# Altium PCB CU-ON-OFF-V2-08-11-18.PcbDoc (part 3 of 14) (continued)
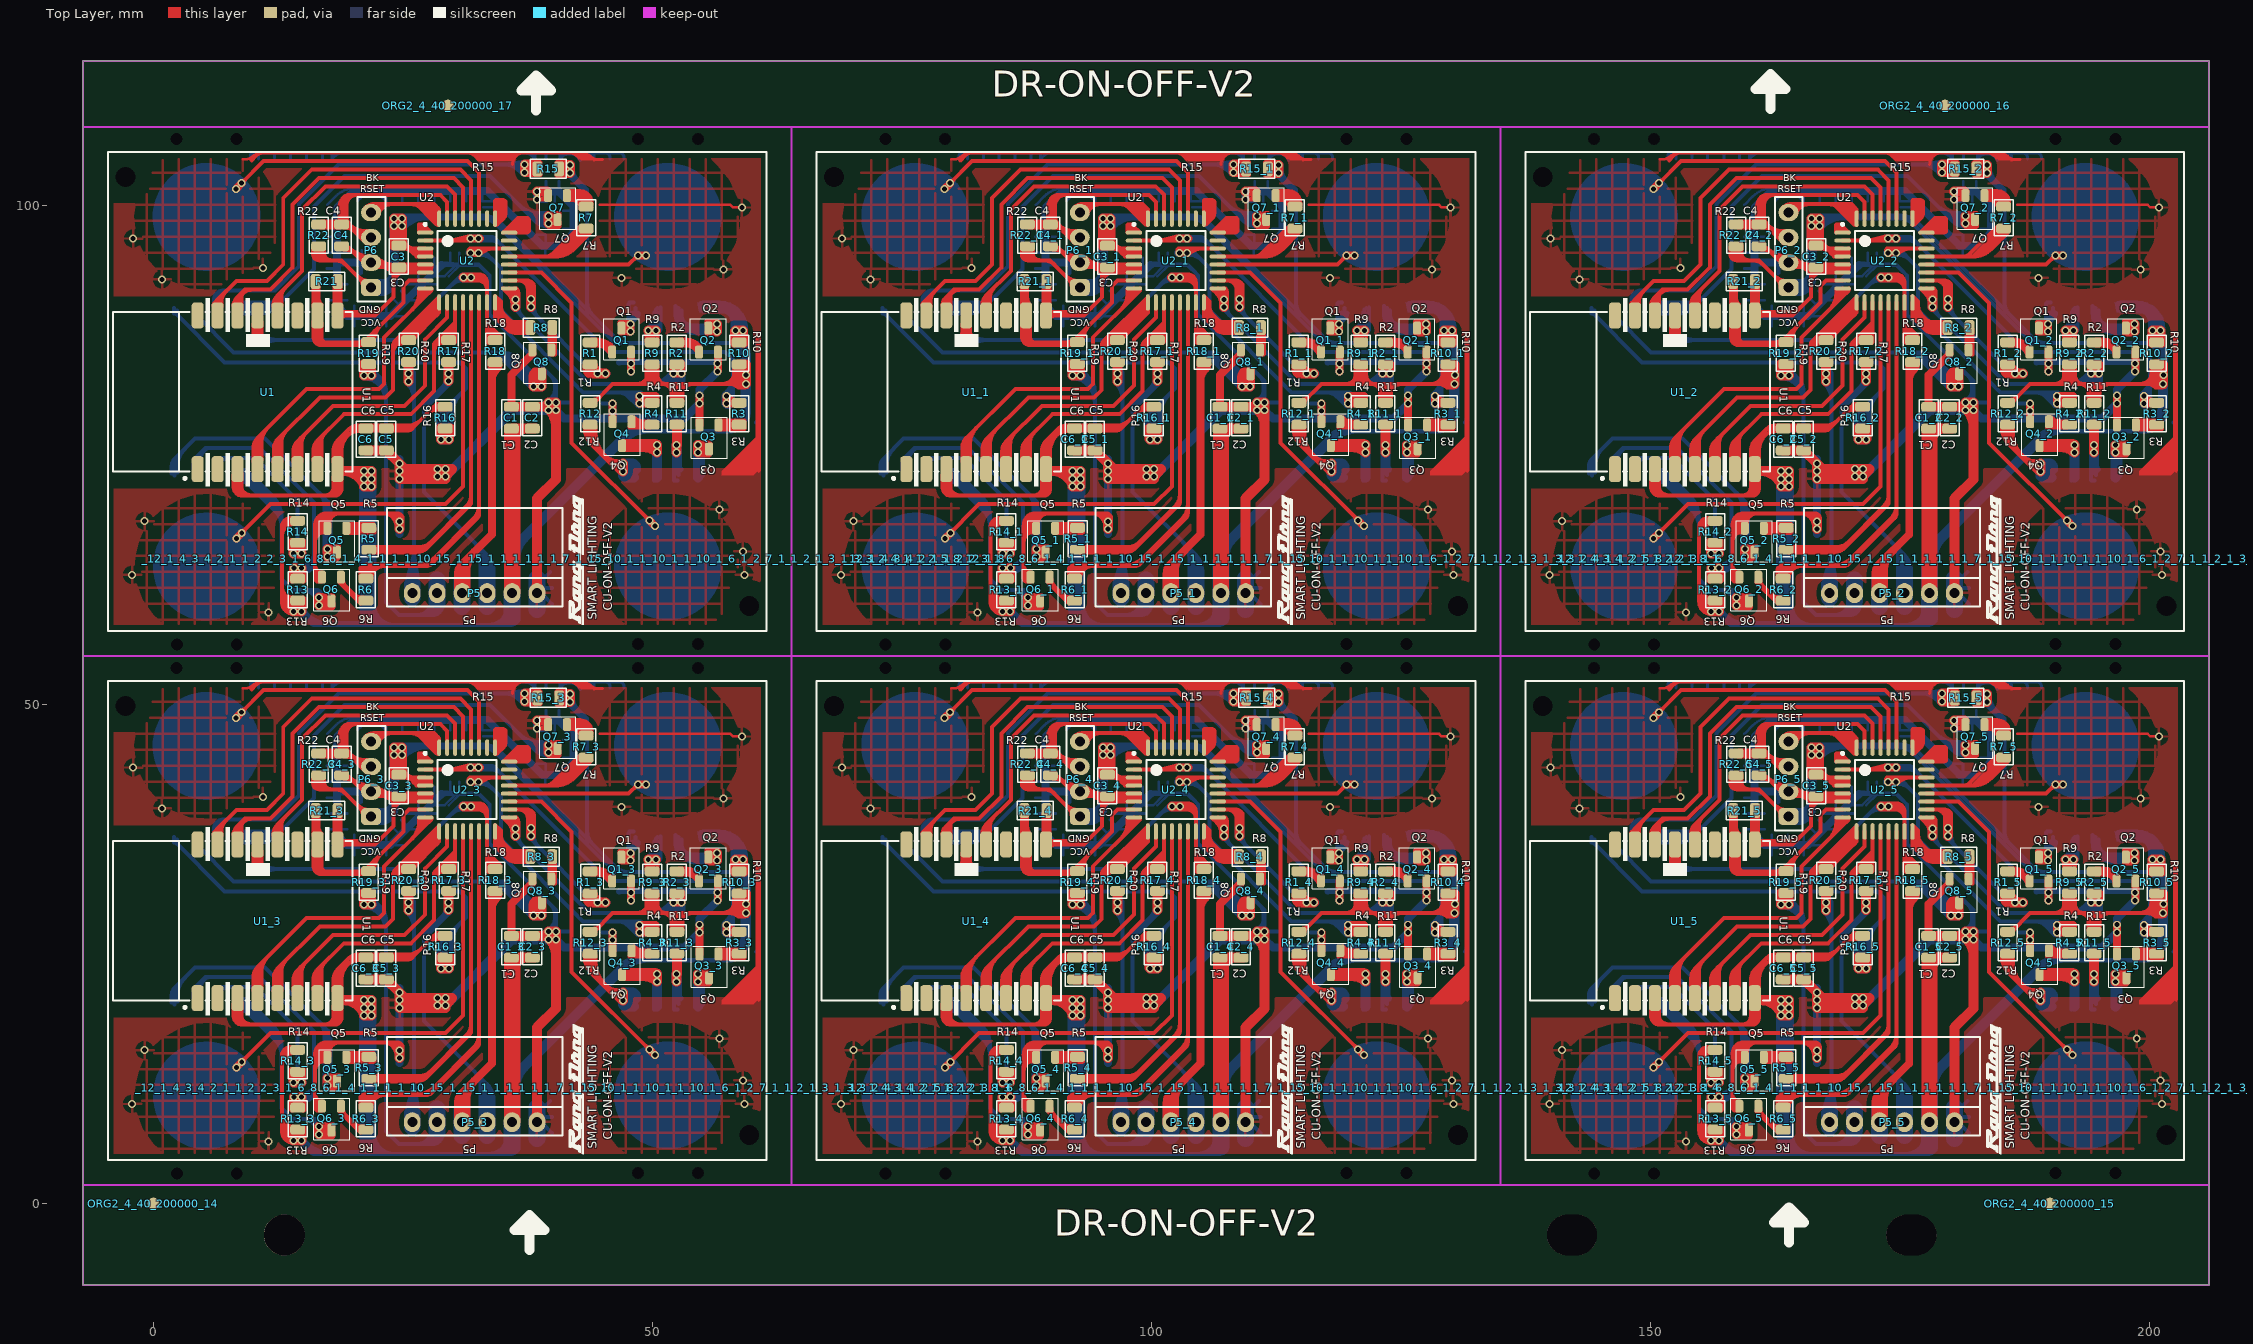
[diagram p0: Top Layer view]
## Nets (pads, with @x,y where several pads share a name; then routed paths per layer and width w, separated by ;. In a path a pad name is that pad's centre, name@x,y a point inside that pad or via, vN(x,y) a via of type N, cw(c..) or ccw(c..) an arc to the next point about the centre after c; other vN are vias at no path point) (continued)
 ; 21.341,14.407 20.074,14.407 ccw(c20.074,13.724) 19.591,14.207 22.02,14.207 ccw(c22.02,14.378) 22.141,14.257 22.141,14.632 ; 21.341,33.582 21.256,33.582 ccw(c21.256,33.367) 21.104,33.519 ; 21.341,67.406 20.074,67.406 ccw(c20.074,66.723) 19.591,67.206 22.02,67.206 ccw(c22.02,67.377) 22.141,67.256 22.141,67.631 ; 21.341,86.581 21.256,86.581 ccw(c21.256,86.366) 21.104,86.518 cw(c20.471,87.151) 20.471,86.256 17.348,86.256 cw(c17.348,86.755) 16.995,86.402 ; 21.354,30.895 cw(c20.842,30.383) 21.566,30.383 cw(c22.29,30.383) 21.778,30.895 ; v1@21.372,30.043 cw(c21.729,29.782) v1@21.979,30.147 ; 21.516,43.182 cw(c21.516,43.544) 21.26,43.288 20.766,43.782 ; 21.561,97.423 21.175,97.423 cw(c21.175,99.415) 19.766,98.006 cw(c20.792,99.032) 19.341,99.032 19.341,99.961 ; 21.566,31.189 ccw(c23.073,31.189) v1@22.007,30.123 ; 21.577,46.671 cw(c22.69,45.558) 22.69,47.132 ; 21.591,46.682 22.041,47.132 28.116,47.132 28.641,46.607 28.641,45.682 ; 21.616,12.507 27.016,12.507 31.841,17.332 ; 21.716,33.307 cw(c23.285,33.307) 22.176,34.417 ; 21.741,41.057 24.116,41.057 24.591,40.782 ; 21.753,22.245 cw(c22.084,21.914) 22.084,22.382 ; 21.753,22.669 ccw(c22.446,23.362) 22.446,22.382 ; 21.753,24.445 cw(c22.084,24.114) 22.084,24.582 ; 21.753,24.869 ccw(c22.446,25.562) 22.446,24.582 ; 21.816,43.782 20.766,43.782 ; 21.841,9.607 cw(c23.169,9.607) 22.23,10.546 ; 21.86,46.388 cw(c23.656,44.592) 23.656,47.132 ; v1(21.866,20.382) v1@21.666,20.582 ; 22.053,12.295 cw(c22.565,11.783) 22.565,12.507 cw(c22.565,13.231) 22.053,12.719 ; 22.116,33.307 cw(c24.651,33.307) 22.858,35.099 ; 22.141,10.457 cw(c23.167,9.431) 23.167,10.882 23.941,10.882 ; 22.141,63.456 cw(c23.167,62.43) 23.167,63.881 23.941,63.881 ; 22.143,41.459 ccw(c23.113,42.429) 23.113,41.057 ; 22.186,22.382 ccw(c22.186,23.362) 22.879,22.669 ; 22.186,24.582 ccw(c22.186,25.562) 22.879,24.869 ; 22.424,40.833 cw(c22.703,39.194) 24.131,40.046 ; 22.426,40.822 cw(c22.992,40.256) 22.992,41.057 ; 22.426,41.742 ccw(c24.078,43.394) 24.078,41.057 ; 22.548,22.382 cw(c22.548,21.914) 22.879,22.245 ; 22.548,24.582 cw(c22.548,24.114) 22.879,24.445 ; 22.591,46.107 cw(c23.255,46.107) 22.785,46.576 23.04,46.832 cw(c23.766,46.106) 23.766,47.132 ; 22.591,99.106 cw(c23.255,99.106) 22.785,99.575 23.04,99.83 cw(c23.766,99.105) 23.766,100.131 ; 22.741,10.882 21.867,10.882 ccw(c21.867,9.431) 20.841,10.457 ccw(c21.082,10.216) 20.741,10.216 ; 22.741,63.881 21.867,63.881 ccw(c21.867,62.43) 20.841,63.456 ccw(c21.082,63.215) 20.741,63.215 ; 22.953,41.057 cw(c22.953,39.394) 24.129,40.57 ; 23.016,16.157 23.061,16.157 cw(c23.061,14.877) 23.966,15.782 cw(c23,14.816) v1@24.366,14.816 ; 23.016,69.156 23.061,69.156 cw(c23.061,67.876) 23.966,68.781 cw(c23,67.815) 24.366,67.815 ; 23.341,24.582 19.616,24.582 ; 23.341,24.657 25.941,24.657 ; 23.803,24.445 cw(c24.315,23.933) 24.315,24.657 cw(c24.315,25.381) 23.803,24.869 ; v1@23.841,44.982 23.841,42.984 ccw(c24.268,42.984) 23.966,42.682 24.741,42.682 ; 23.841,97.981 23.841,95.983 ccw(c24.268,95.983) 23.966,95.681 24.741,95.681 24.99,95.681 cw(c24.99,94.23) 26.016,95.256 26.356,94.916 ccw(c26.441,95.002) 26.441,94.881 27.241,94.881 ; 23.918,41.057 cw(c23.918,40.359) 24.412,40.853 ; v1@23.992,44.784 cw(c23.51,44.302) 24.191,44.302 ; 24.016,32.207 24.016,32.339 cw(c24.784,32.339) 24.241,32.882 cw(c25.026,32.097) 25.026,33.207 25.191,33.207 ; 24.016,85.206 24.016,85.338 cw(c24.784,85.338) 24.241,85.881 cw(c25.026,85.096) 25.026,86.206 25.191,86.206 ; 24.016,85.931 cw(c24.68,85.931) 24.21,86.4 28.641,90.831 ; 24.066,39.394 cw(c25.729,39.394) 24.553,40.57 ; 24.066,40.36 cw(c24.763,40.36) 24.27,40.853 ; v1(24.133,44.925) 24.133,43.44 24.591,42.982 ; 24.165,16.083 cw(c23.44,15.357) 24.466,15.357 23.666,16.157 ; 24.191,44.068 ccw(c25.427,44.068) 24.553,43.194 ; v1@24.191,44.925 24.191,43.232 24.741,42.682 ; 24.241,40.707 24.616,41.082 27.241,41.082 ; 24.416,69.156 cw(c24.416,68.613) 24.8,68.997 cw(c24.4,68.596) 24.966,68.596 24.966,67.856 ; v1@24.525,14.723 ccw(c24.183,15.065) 24.666,15.065 ccw(c25.149,15.065) v1@24.807,14.723 ; v1@24.525,15.216 cw(c24.183,14.874) 24.666,14.874 cw(c25.149,14.874) v1@24.807,15.216 ; v1@24.525,19.748 ccw(c24.183,20.09) 24.666,20.09 ccw(c25.149,20.09) v1@24.807,19.748 ; v1@24.525,20.523 ccw(c24.183,20.865) 24.666,20.865 ccw(c25.149,20.865) 24.807,20.523 ccw(c26.356,22.072) 26.356,19.882 ; v1@24.525,21.016 cw(c24.183,20.674) 24.666,20.674 cw(c25.149,20.674) v1@24.807,21.016 ; v1@24.548,15.195 cw(c24.413,15.009) v1@24.635,14.95 ; v1@24.548,20.995 cw(c24.413,20.809) v1@24.635,20.75 ; v1(24.666,15.357) 24.666,15.582 24.091,16.157 ; v1(24.666,19.607) v1@24.666,19.882 ; v1(24.666,20.382) v1@24.891,20.607 ; v1@24.695,20.131 cw(c24.445,19.744) v1@24.836,19.502 ; v1@24.697,14.95 cw(c24.919,15.009) v1@24.784,15.195 ; v1@24.697,20.75 cw(c24.919,20.809) v1@24.784,20.995 ; v1@24.733,19.832 v1@28.391,19.832 ; 24.77,40.853 cw(c25.324,40.299) 25.324,41.082 ; 24.77,42.911 ccw(c25.324,43.465) 25.324,42.682 ; v1@24.807,19.466 cw(c25.813,18.46) 25.813,19.882 ; v1@24.953,15.62 24.416,16.157 ; 24.966,14.857 24.966,15.597 ccw(c24.4,15.597) 24.8,15.998 ccw(c24.416,15.614) 24.416,16.157 ; 25.053,43.194 ccw(c26.289,44.43) 26.289,42.682 ; 25.095,33.696 cw(c24.491,34.184) 24.491,33.407 ; v1@25.191,44.932 25.191,43.667 ccw(c26.301,43.667) 25.516,42.882 ; 25.191,97.931 25.191,96.666 ccw(c26.301,96.666) 25.516,95.881 ; 25.216,20.607 25.846,19.977 ; 25.366,31.095 cw(c24.854,30.583) 25.578,30.583 cw(c26.303,30.583) 25.791,31.095 ; 25.39,19.882 cw(c25.39,21.106) v1@24.525,20.241 ; 25.416,10.882 26.28,10.882 ccw(c26.28,13.443) 28.091,11.632 cw(c26.642,13.081) 26.642,11.032 21.54,11.032 ccw(c21.54,10.008) 20.816,10.732 ccw(c20.997,10.551) 20.741,10.551 20.741,10.216 ; 25.416,63.881 26.28,63.881 ccw(c26.28,66.442) 28.091,64.631 cw(c26.642,66.08) 26.642,64.031 21.54,64.031 ccw(c21.54,63.007) 20.816,63.731 ccw(c20.997,63.55) 20.741,63.55 20.741,63.215 ; v1@25.437,29.523 ccw(c25.096,29.865) 25.578,29.865 ccw(c26.061,29.865) v1@25.72,29.523 ; v1@25.437,30.016 cw(c25.096,29.674) 25.578,29.674 cw(c26.061,29.674) v1@25.72,30.016 ; v1@25.437,30.298 ccw(c25.096,30.64) 25.578,30.64 ccw(c26.061,30.64) v1@25.72,30.298 ; v1@25.461,29.995 cw(c25.326,29.809) v1@25.548,29.75 ; v1@25.578,29.107 25.578,31.307 ; v1@25.609,29.75 cw(c25.831,29.809) v1@25.696,29.995 ; 25.828,33.807 ccw(c25.828,34.682) 26.447,34.063 ; 25.941,36.582 ccw(c24.311,38.212) 26.616,38.212 26.616,38.632 ; 25.941,89.581 ccw(c24.311,91.211) 26.616,91.211 26.616,91.631 ; 26.128,33.507 cw(c26.702,33.507) 26.296,33.912 ; 26.29,41.082 ccw(c26.29,39.333) 25.053,40.57 26.212,40.575 ; 26.591,44.307 26.591,44.997 cw(c26.676,44.997) 26.616,45.057 cw(c26.676,44.997) 26.676,45.082 26.941,45.082 cw(c26.941,44.841) 27.112,45.011 27.841,44.282 ; 26.591,97.306 26.591,97.996 cw(c26.676,97.996) 26.616,98.056 cw(c26.676,97.996) 26.676,98.081 26.941,98.081 cw(c26.941,97.84) 27.112,98.01 27.841,97.281 ; 26.741,25.457 cw(c25.534,26.664) 25.534,24.957 20.521,24.957 ccw(c20.521,23.677) 19.616,24.582 ; 27.166,12.657 cw(c26.08,13.743) 26.08,12.207 ; 27.166,65.656 cw(c26.08,66.742) 26.08,65.206 ; 27.24,40.579 26.212,40.575 ; 27.241,38.682 27.241,37.882 ; 27.241,39.482 25.591,39.482 25.041,38.932 25.041,37.282 20.791,33.032 ; 27.241,43.482 31.89,43.482 ccw(c31.89,44.165) 32.373,43.682 cw(c32.166,43.689) 32.166,43.482 ; 27.241,90.881 27.76,91.4 ccw(c27.504,91.656) 27.866,91.656 ; 27.241,96.481 31.89,96.481 ccw(c31.89,97.164) 32.373,96.681 ; 27.341,63.881 ccw(c27.341,64.666) 27.896,64.111 32.411,68.626 ccw(c31.856,69.181) 32.641,69.181 ; 27.391,26.107 cw(c28.417,25.081) 28.417,26.532 29.391,26.532 ; 27.391,79.106 cw(c28.417,78.08) 28.417,79.531 29.391,79.531 ; 27.641,13.132 cw(c26.856,13.917) 26.856,12.807 21.941,12.807 22.131,12.807 cw(c22.131,12.722) 22.191,12.782 ccw(c22.855,13.446) 22.855,12.507 24.316,12.507 22.89,12.507 ccw(c22.89,11.483) 22.166,12.207 21.841,12.207 26.08,12.207 ; 27.641,66.131 cw(c26.856,66.916) 26.856,65.806 21.941,65.806 22.131,65.806 cw(c22.131,65.721) 22.191,65.781 ccw(c22.855,66.445) 22.855,65.506 24.316,65.506 22.89,65.506 ccw(c22.89,64.482) 22.166,65.206 21.841,65.206 26.08,65.206 ; 27.841,40.307 27.865,41.062 27.866,41.082 27.241,41.082 ; 27.841,40.832 27.496,40.827 ; 27.841,41.932 27.841,42.682 ; 27.841,94.931 27.841,95.681 ; 27.866,38.657 cw(c27.504,38.657) 27.76,38.401 27.241,37.882 ; 27.887,19.882 cw(c27.887,19.228) v1@28.35,19.691 ; 28.041,26.757 28.31,27.026 cw(c28.566,26.77) 28.566,27.132 29.566,27.132 ; 28.041,79.756 28.31,80.025 cw(c28.566,79.769) 28.566,80.131 29.566,80.131 ; 28.116,32.282 cw(c29.142,32.282) 28.416,33.008 28.441,33.032 cw(c28.863,32.61) 28.863,33.207 29.891,33.207 30.106,33.207 ccw(c30.106,33.292) 30.166,33.232 ccw(c29.985,33.413) 30.241,33.413 30.241,35.282 ; 28.116,85.281 cw(c29.142,85.281) 28.416,86.007 28.441,86.031 cw(c28.863,85.609) 28.863,86.206 29.891,86.206 30.106,86.206 ccw(c30.106,86.291) 30.166,86.231 ccw(c29.985,86.412) 30.241,86.412 30.241,88.281 ; 28.116,85.956 cw(c28.599,85.956) 28.257,86.297 29.591,87.631 ; v1@28.166,19.607 v1@28.391,19.832 ; 28.358,35.974 ccw(c27.675,36.657) 28.641,36.657 ; 28.429,46.819 cw(c27.917,46.307) 28.641,46.307 ; v1@28.441,20.557 v1(28.491,20.607) ; v1@28.516,23.557 28.516,24.726 cw(c28.772,24.726) 28.591,24.907 cw(c28.651,24.847) 28.651,24.932 28.816,24.932 ; 28.516,76.556 28.516,77.725 cw(c28.772,77.725) 28.591,77.906 cw(c28.651,77.846) 28.651,77.931 28.816,77.931 ; 28.591,24.082 29.866,24.082 ; 28.591,77.081 29.866,77.081 ; 28.616,45.057 cw(c28.616,45.54) 28.275,45.198 27.891,45.582 ; 28.616,98.056 cw(c28.616,98.539) 28.275,98.197 27.891,98.581 ; 28.641,37.282 28.641,36.257 25.791,33.407 24.491,33.407 ; 28.641,37.832 24.21,33.401 ccw(c24.68,32.932) 24.016,32.932 ; 28.779,26.62 ccw(c28.267,26.108) 28.267,26.832 ccw(c28.267,27.556) 28.779,27.044 ; 28.791,26.832 28.116,26.832 25.941,24.657 ; 28.798,33.432 cw(c28.798,32.964) 29.129,33.295 ; v1@28.829,23.762 ccw(c28.82,24.182) 29.241,24.182 ; v1@28.837,23.362 ccw(c28.829,23.774) 29.241,23.774 ; 28.966,33.432 28.591,33.432 ; 29.029,24.42 cw(c28.517,23.908) 29.241,23.908 cw(c29.965,23.908) 29.453,24.42 ; 29.101,33.687 cw(c28.591,34.069) 28.591,33.432 ; 29.122,24.351 ccw(c29.973,24.579) v1@29.675,23.75 ; 29.241,23.332 29.241,24.182 ; 29.241,23.744 ccw(c29.624,23.744) v1@29.59,23.362 ; 29.379,31.095 cw(c28.867,30.583) 29.591,30.583 cw(c30.315,30.583) 29.803,31.095 ; 29.379,33.719 ccw(c28.867,34.231) 29.591,34.231 ccw(c30.315,34.231) 29.803,33.719 ; 29.441,37.282 29.441,35.782 27.241,33.582 27.241,28.982 25.183,26.924 18.008,26.924 14.441,23.357 ; 29.441,45.682 29.441,47.357 28.746,48.052 19.636,48.052 ; v1@29.45,29.548 ccw(c29.108,29.89) 29.591,29.89 ccw(c30.074,29.89) v1@29.732,29.548 ; v1@29.45,30.041 cw(c29.108,29.699) 29.591,29.699 cw(c30.074,29.699) v1@29.732,30.041 ; v1@29.45,30.323 ccw(c29.108,30.665) 29.591,30.665 ccw(c30.074,30.665) v1@29.732,30.323 ; v1@29.473,29.569 ccw(c29.338,29.755) v1@29.56,29.814 ; v1(29.591,29.407) 29.591,31.057 ; 29.591,33.507 29.591,34.632 ; v1@29.622,29.814 ccw(c29.844,29.755) v1@29.709,29.569 ; v1@29.626,23.761 cw(c29.664,24.182) 29.241,24.182 ; 29.641,24.932 29.831,24.932 cw(c29.831,24.847) 29.891,24.907 cw(c29.831,24.847) 29.916,24.847 v1@29.916,23.532 ; 29.641,77.931 29.831,77.931 cw(c29.831,77.846) 29.891,77.906 cw(c29.831,77.846) 29.916,77.846 29.916,76.531 ; 30.241,37.282 30.241,35.282 ; 30.241,45.682 30.241,48.082 29.426,48.897 17.231,48.897 14.916,46.582 14.916,40.432 12.441,37.957 ; 30.316,8.432 30.741,11.157 ; 30.316,61.431 30.741,64.156 ; 30.481,8.767 ccw(c29.372,9.876) 30.941,9.876 ccw(c32.51,9.876) 31.401,8.767 ; 31.041,45.682 31.041,48.807 30.106,49.742 16.601,49.742 13.966,47.107 13.966,40.807 11.716,38.557 9.191,38.557 8.441,37.807 ; v1(31.066,39.782) v1(31.841,39.782) 32.941,39.782 33.441,39.282 33.441,37.282 ; v1@31.207,39.641 cw(c31.549,39.299) 31.549,39.782 cw(c31.549,40.265) v1@31.207,39.923 ; v1@31.228,39.664 cw(c31.414,39.529) v1@31.473,39.751 ; v1@31.228,39.9 ccw(c31.414,40.035) v1@31.473,39.813 ; 31.366,16.857 ccw(c30.219,18.004) 31.841,18.004 31.841,18.707 ; 31.366,69.856 ccw(c30.219,71.003) 31.841,71.003 31.841,71.706 ; 31.491,40.082 32.648,40.082 cw(c32.648,39.314) 33.191,39.857 cw(c32.587,39.253) 33.441,39.253 33.441,38.568 ; 31.491,93.081 32.648,93.081 cw(c32.648,92.313) 33.191,92.856 cw(c32.587,92.252) 33.441,92.252 33.441,91.567 ; v1@31.591,42.232 31.591,42.451 cw(c31.847,42.451) 31.666,42.632 cw(c31.787,42.511) 31.787,42.682 34.099,42.682 ccw(c34.099,40.714) v1@32.707,42.106 ; 31.591,95.231 31.591,95.45 cw(c31.847,95.45) 31.666,95.631 cw(c31.787,95.51) 31.787,95.681 34.099,95.681 ; v1@31.7,39.641 ccw(c31.358,39.299) 31.358,39.782 ccw(c31.358,40.265) v1@31.7,39.923 ; v1@31.791,42.272 32.566,42.272 32.976,42.682 35.641,42.682 ; v1@31.816,39.482 32.562,39.482 cw(c32.562,38.628) 33.166,39.232 cw(c32.502,38.568) 33.441,38.568 ; 31.816,92.481 32.562,92.481 cw(c32.562,91.627) 33.166,92.231 cw(c32.502,91.567) 33.441,91.567 ; 31.841,37.282 31.841,17.332 ; 31.841,45.682 31.841,49.507 30.761,50.587 15.871,50.587 13.016,47.732 13.016,41.082 11.366,39.432 8.316,39.432 6.441,37.557 ; 31.841,70.331 cw(c31.298,70.331) 31.682,69.947 27.466,65.731 cw(c26.199,66.998) 26.199,65.206 26.08,65.206 ; v1@31.932,42.106 cw(c32.334,41.704) v1@32.334,42.272 ; v1@31.932,42.388 ccw(c32.213,42.67) v1@32.213,42.272 ; v1@31.939,43.816 ccw(c32.747,44.624) v1@32.747,43.482 ; v1@31.982,39.641 cw(c32.324,39.299) 32.324,39.782 cw(c32.324,40.265) v1@31.982,39.923 ; v1@32.023,42.272 cw(c32.023,41.704) v1@32.425,42.106 ; 32.041,15.582 ccw(c30.592,17.031) 32.641,17.031 32.641,17.932 ; 32.041,68.581 ccw(c30.592,70.03) 32.641,70.03 32.641,70.931 ; v1@32.075,43.876 v1@31.5,43.876 ; 32.075,96.875 31.5,96.875 ; v1@32.127,42.295 ccw(c32.202,42.576) v1@32.418,42.381 ; v1@32.144,42.272 ccw(c32.144,42.67) 32.425,42.388 cw(c33.133,41.68) 33.133,42.682 ; v1@32.566,42.447 ccw(c32.566,42.87) 32.865,42.571 ; 32.641,37.282 32.641,16.182 ; v1@32.766,42.247 cw(c33.309,42.247) 32.925,42.631 ; 33.441,36.032 33.441,35.511 ccw(c34.295,35.511) 33.691,34.907 cw(c33.691,34.786) 33.776,34.872 34.72,33.928 cw(c34.55,33.757) 34.791,33.757 ; 33.441,89.031 33.441,88.51 ccw(c34.295,88.51) 33.691,87.906 cw(c33.691,87.785) 33.776,87.871 34.72,86.927 cw(c34.55,86.756) 34.791,86.756 ; 33.441,88.206 33.441,86.462 ccw(c33.697,86.462) 33.516,86.281 ccw(c33.697,86.462) 33.697,86.206 33.891,86.206 ; 33.441,90.281 33.441,91.567 ; 33.691,30.857 33.691,31.357 ; 33.691,83.856 33.691,84.356 ; 33.891,33.207 33.697,33.207 cw(c33.697,33.463) 33.516,33.282 cw(c33.697,33.463) 33.441,33.463 33.441,35.207 ; 33.916,30.907 34.116,31.107 ; 34.029,33.719 ccw(c33.517,34.231) 34.241,34.231 ccw(c34.965,34.231) 34.453,33.719 ; 34.241,33.307 34.241,34.407 33.441,35.207 ; 34.241,37.282 34.241,35.807 35.441,34.607 ; 34.241,37.932 34.816,37.357 34.816,36.923 ccw(c36.182,36.923) 35.216,35.957 35.618,35.555 ccw(c36.216,36.152) 36.216,35.307 37.639,35.307 cw(c37.639,34.88) 37.941,35.182 ; 34.241,45.057 ccw(c34.241,45.48) 34.54,45.181 35.066,45.707 ccw(c34.523,46.25) 35.291,46.25 35.291,47.311 ccw(c35.12,47.311) 35.241,47.432 ccw(c35,47.191) 35,47.532 34.351,47.532 ccw(c34.351,47.447) 34.291,47.507 ccw(c34.412,47.386) 34.241,47.386 34.241,45.682 ; 34.241,90.931 34.816,90.356 34.816,89.922 ccw(c36.182,89.922) 35.216,88.956 35.618,88.553 ccw(c36.216,89.151) 36.216,88.306 37.639,88.306 cw(c37.639,87.879) 37.941,88.181 ; 34.241,98.056 ccw(c34.241,98.478) 34.54,98.18 35.066,98.706 ccw(c34.523,99.249) 35.291,99.249 35.291,100.31 ccw(c35.12,100.31) 35.241,100.431 ccw(c35,100.19) 35,100.531 34.351,100.531 ccw(c34.351,100.446) 34.291,100.506 ccw(c34.412,100.385) 34.241,100.385 34.241,98.681 ; 34.266,30.432 cw(c34.93,30.432) 34.46,30.901 34.591,31.032 ; 34.266,83.431 cw(c34.93,83.431) 34.46,83.9 34.591,84.031 ; 34.579,30.52 ccw(c34.067,31.032) 34.791,31.032 ; 34.579,83.519 ccw(c34.067,84.031) 34.791,84.031 ; 35.066,44.282 36.516,45.732 36.566,45.732 37.356,45.732 ; 35.066,97.281 36.516,98.731 36.566,98.731 37.356,98.731 ; 35.091,38.682 ccw(c35.212,38.682) 35.126,38.597 35.542,38.181 cw(c34.517,37.157) 35.966,37.157 ; 35.091,91.681 ccw(c35.212,91.681) 35.126,91.596 35.542,91.18 cw(c34.517,90.156) 35.966,90.156 ; 35.341,24.332 cw(c33.892,22.884) 35.941,22.884 35.941,21.857 35.941,22.236 cw(c38.587,22.236) 36.716,24.107 ; 35.341,24.507 35.341,8.148 ccw(c35.682,8.148) 35.441,7.907 ; 35.341,77.331 cw(c33.892,75.882) 35.941,75.882 35.941,74.856 35.941,75.235 cw(c38.587,75.235) 36.716,77.106 ; 35.341,77.506 35.341,61.147 ccw(c35.682,61.147) 35.441,60.906 ; 35.441,87.606 ccw(c36.407,88.572) 36.407,87.206 37.716,87.206 ; 35.481,8.767 ccw(c34.372,9.876) 35.941,9.876 ccw(c37.51,9.876) 36.401,8.767 ; 35.641,38.682 35.641,38.082 36.266,37.457 v1(36.266,36.807) ; 35.641,40.282 38.866,40.282 41.916,37.232 41.916,23.217 v1@50.27,14.863 ; 35.641,41.082 47.62,41.082 48.545,42.007 v1@48.552,42 ; 35.641,41.882 40.291,41.882 ; 35.641,44.282 37.289,44.282 ccw(c37.289,44.709) 37.591,44.407 ccw(c37.531,44.467) 37.616,44.467 37.616,45.224 ; 35.641,92.481 36.567,92.481 cw(c36.567,91.457) 37.291,92.181 cw(c36.748,91.638) 37.516,91.638 37.516,90.331 ; 35.641,97.281 37.289,97.281 ccw(c37.289,97.708) 37.591,97.406 ccw(c37.531,97.466) 37.616,97.466 37.616,98.223 ; 35.654,24.42 cw(c34.961,23.727) 35.941,23.727 ; 35.654,27.044 ccw(c35.142,27.556) 35.866,27.556 ccw(c36.59,27.556) 36.078,27.044 ; 35.711,38.012 ccw(c36.266,38.567) v1@36.266,37.782 ; 35.891,24.907 cw(c35.951,24.847) 35.951,24.932 38.266,24.932 ; 35.891,77.906 cw(c35.951,77.846) 35.951,77.931 38.266,77.931 ; 35.941,8.157 35.941,24.557 35.866,24.632 37.966,24.632 ; 35.941,24.089 cw(c36.409,24.089) 36.078,24.42 ; 36.041,23.782 36.82,24.561 cw(c36.992,24.389) 36.992,24.632 ; 36.041,76.781 36.82,77.56 cw(c36.992,77.388) 36.992,77.631 ; v1@36.125,36.948 ccw(c35.783,37.29) 36.266,37.29 ccw(c36.749,37.29) v1@36.407,36.948 ; v1@36.125,37.441 cw(c35.783,37.099) 36.266,37.099 cw(c36.749,37.099) v1@36.407,37.441 ; v1@36.148,36.969 ccw(c36.013,37.155) v1@36.235,37.214 ; 36.191,38.682 36.331,38.682 cw(c36.331,38.597) 36.391,38.657 cw(c35.968,38.235) 36.566,38.235 36.566,37.282 ; 36.191,91.681 36.331,91.681 cw(c36.331,91.596) 36.391,91.656 cw(c35.968,91.234) 36.566,91.234 36.566,90.281 ; v1@36.297,37.214 ccw(c36.519,37.155) v1@36.384,36.969 ; 36.328,24.42 cw(c36.84,23.908) 36.84,24.632 cw(c36.84,25.356) 36.328,24.844 ; 36.328,26.62 cw(c36.84,26.108) 36.84,26.832 cw(c36.84,27.556) 36.328,27.044 ; 36.428,45.644 cw(c36.641,45.43) 36.641,45.732 ; 36.428,98.643 cw(c36.641,98.429) 36.641,98.731 ; 36.541,8.357 36.541,8.242 ccw(c36.626,8.242) 36.566,8.182 36.566,23.745 cw(c37.078,23.745) 36.716,24.107 ; 36.541,61.356 36.541,61.241 ccw(c36.626,61.241) 36.566,61.181 36.566,76.744 cw(c37.078,76.744) 36.716,77.106 ; 36.8,34.607 cw(c36.8,33.541) 37.554,34.295 ; v1@37.209,50.9 cw(c37.209,50.417) 37.551,50.759 cw(c37.892,51.1) v1@37.409,51.1 ; v1(37.209,51.1) 37.652,50.657 37.982,50.657 ; 37.291,92.481 37.387,92.481 cw(c37.387,91.627) 37.991,92.231 cw(c37.689,91.929) 38.116,91.929 38.116,90.356 ; v1@37.396,50.254 cw(c37.982,50.03) 37.982,50.657 ; 37.501,31.642 ccw(c36.861,32.282) 37.766,32.282 ; 37.504,24.42 ccw(c36.992,23.908) 36.992,24.632 ; 37.504,24.844 cw(c36.992,25.356) 36.992,24.632 ; 37.504,26.62 ccw(c36.992,26.108) 36.992,26.832 ccw(c36.992,27.556) 37.504,27.044 ; 37.516,37.332 37.516,38.639 ccw(c36.748,38.639) 37.291,39.182 ccw(c36.567,38.458) 36.567,39.482 35.641,39.482 37.291,39.482 ; v1@37.675,36.973 ccw(c37.333,37.315) 37.816,37.315 ccw(c38.299,37.315) v1@37.957,36.973 ; v1@37.675,37.466 cw(c37.333,37.124) 37.816,37.124 cw(c38.299,37.124) v1@37.957,37.466 ; v1@37.675,37.748 ccw(c37.333,38.09) 37.816,38.09 ccw(c38.299,38.09) v1@37.957,37.748 ; v1@37.698,36.994 ccw(c37.563,37.18) v1@37.785,37.239 ; 37.716,34.207 36.407,34.207 cw(c36.407,35.573) 35.441,34.607 ; 37.766,34.607 35.441,34.607 ; v1(37.816,36.832) 37.816,38.957 37.291,39.482 ; v1@37.847,37.239 ccw(c38.069,37.18) v1@37.934,36.994 ; 37.927,50.713 37.982,50.657 ; 37.966,32.107 37.966,32.532 ; 37.981,8.767 ccw(c36.872,9.876) 38.441,9.876 ccw(c40.01,9.876) 38.901,8.767 ; 38.057,26.832 ccw(c38.057,28.766) v1@39.425,27.398 ; v1@38.116,37.357 38.116,38.93 ccw(c37.689,38.93) 37.991,39.232 ccw(c37.387,38.628) 37.387,39.482 37.291,39.482 ; 38.216,50.057 38.281,50.057 cw(c38.281,49.972) 38.341,50.032 38.706,50.032 ccw(c38.706,50.117) 38.766,50.057 38.766,51.297 ccw(c38.681,51.297) 38.741,51.357 ccw(c38.62,51.236) 38.62,51.407 ; 38.216,103.056 38.281,103.056 cw(c38.281,102.971) 38.341,103.031 38.706,103.031 ccw(c38.706,103.116) 38.766,103.056 38.766,104.296 ccw(c38.681,104.296) 38.741,104.356 ccw(c38.62,104.235) 38.62,104.406 ; 38.238,26.832 cw(c38.238,25.154) 39.425,26.341 cw(c37.876,24.792) 40.066,24.792 ; 38.241,24.332 37.259,24.332 ccw(c37.259,23.564) 36.716,24.107 ; 38.241,77.331 37.259,77.331 ccw(c37.259,76.563) 36.716,77.106 ; 38.254,50.445 ccw(c37.742,49.933) 37.742,50.657 ccw(c37.742,51.381) 38.254,50.869 ; v1(38.416,47.607) 39.691,47.607 39.541,47.757 39.541,47.982 ; 38.428,26.62 cw(c38.94,26.108) 38.94,26.832 cw(c38.94,27.556) 38.428,27.044 ; 38.466,50.657 37.982,50.657 ; v1@38.525,47.775 ccw(c38.89,48.337) 39.064,47.689 ; v1@38.557,47.466 cw(c38.899,47.124) 38.899,47.607 cw(c38.899,48.09) v1@38.557,47.748 ; v1@38.725,29.023 ccw(c38.262,29.486) 38.916,29.486 ; v1@38.756,47.607 ccw(c38.756,48.517) 39.4,47.873 ; 38.775,29.741 cw(c38.433,29.399) 38.916,29.399 cw(c39.399,29.399) 39.057,29.741 ; 38.916,30.132 38.916,28.907 v1@38.941,28.882 ; 39.023,26.832 ccw(c39.023,27.8) v1@39.707,27.116 ; 39.116,30.582 cw(c38.995,30.461) 39.166,30.461 39.166,29.582 ; 39.116,83.581 cw(c38.995,83.46) 39.166,83.46 39.166,82.581 ; 39.204,26.832 cw(c39.204,26.12) 39.707,26.623 cw(c38.842,25.758) 40.066,25.758 ; 39.341,41.882 ccw(c39.341,42.848) 40.024,42.165 42.816,44.957 ; 39.341,94.881 ccw(c39.341,95.847) 40.024,95.164 42.816,97.956 ; v1@39.369,27.29 ccw(c39.887,27.204) v1@39.515,26.833 ; v1@39.405,45.284 cw(c39.963,44.911) 39.963,45.582 ; v1@39.412,45.827 ccw(c39.906,46.202) 39.906,45.582 ; v1@39.566,44.857 40.57,44.857 ccw(c40.57,45.028) 40.691,44.907 40.691,45.332 ; v1@39.566,46.257 40.606,46.257 cw(c40.606,46.172) 40.666,46.232 cw(c40.606,46.172) 40.691,46.172 40.691,45.907 ; 39.566,97.856 40.57,97.856 ccw(c40.57,98.027) 40.691,97.906 40.691,98.331 ; 39.566,99.256 40.606,99.256 cw(c40.606,99.171) 40.666,99.231 cw(c40.606,99.171) 40.691,99.171 40.691,98.906 ; v1@39.571,45.748 cw(c39.571,45.265) 39.912,45.607 cw(c40.254,45.948) v1@39.771,45.948 ; v1(39.571,45.948) 39.937,45.582 40.491,45.582 ; 39.666,32.632 39.666,34.597 cw(c39.751,34.597) 39.691,34.657 ; 39.666,85.631 39.666,87.596 cw(c39.751,87.596) 39.691,87.656 ; v1@39.679,26.317 cw(c39.852,26.068) 40.066,26.282 cw(c40.832,27.048) v1@39.763,27.224 ; 39.725,32.923 ccw(c39.142,33.506) 39.966,33.506 ; 39.754,34.295 cw(c39.242,33.783) 39.966,33.783 cw(c40.69,33.783) 40.178,34.295 ; 39.866,32.082 40.241,32.082 ccw(c40.181,32.142) 40.266,32.142 40.266,34.607 ; 39.866,32.332 39.966,32.432 39.966,34.607 ; 39.866,85.081 40.241,85.081 ccw(c40.181,85.141) 40.266,85.141 40.266,87.606 ; 40.066,25.335 cw(c41.488,25.335) v1@40.482,26.341 ; 40.066,46.232 cw(c40.006,46.172) 40.091,46.172 40.091,44.907 ; 40.066,99.231 cw(c40.006,99.171) 40.091,99.171 40.091,97.906 ; v1@40.27,26.669 cw(c40.019,27.336) 39.516,26.832 40.341,26.007 ; 40.291,94.881 ccw(c40.291,97.537) 42.169,95.659 43.891,97.381 ; 40.35,45.441 ccw(c40.008,45.099) 40.008,45.582 ccw(c40.008,46.065) 40.35,45.723 ; 40.366,50.257 40.366,50.067 ccw(c40.451,50.067) 40.391,50.007 ccw(c40.512,50.128) 40.512,49.957 40.841,49.957 ; 40.366,103.256 40.366,103.066 ccw(c40.451,103.066) 40.391,103.006 ccw(c40.512,103.127) 40.512,102.956 40.841,102.956 ; 40.391,51.007 40.391,51.122 ccw(c40.306,51.122) 40.366,51.182 40.366,51.247 cw(c40.451,51.247) 40.391,51.307 cw(c40.451,51.247) 40.451,51.332 40.791,51.332 ; 40.391,104.006 40.391,104.121 ccw(c40.306,104.121) 40.366,104.181 40.366,104.246 cw(c40.451,104.246) 40.391,104.306 cw(c40.451,104.246) 40.451,104.331 40.791,104.331 ; 40.666,50.996 40.666,50.657 41.049,51.04 v1(41.722,51.04) ; 40.878,50.695 cw(c41.711,49.862) v1@41.711,51.04 ; 41.216,42.807 43.091,44.682 43.516,44.682 ; 41.249,50.916 cw(c41.376,50.44) v1@41.622,50.867 ; 41.262,50.92 ccw(c41.14,51.377) v1@41.549,51.14 ; 41.291,42.882 40.291,41.882 ; 41.291,47.532 42.104,47.532 cw(c42.104,47.02) 42.466,47.382 42.551,47.297 cw(c41.911,46.657) 42.816,46.657 ; 41.291,100.531 42.104,100.531 cw(c42.104,100.019) 42.466,100.381 42.551,100.296 cw(c41.911,99.656) 42.816,99.656 ; 41.416,48.307 ccw(c41.416,48.548) 41.587,48.378 cw(c41.718,48.247) 41.718,48.432 42.721,48.432 cw(c42.721,47.237) 43.566,48.082 cw(c42.721,47.237) 43.916,47.237 43.916,47.082 ; 41.416,101.306 ccw(c41.416,101.547) 41.587,101.377 cw(c41.718,101.246) 41.718,101.431 42.721,101.431 cw(c42.721,100.236) 43.566,101.081 cw(c42.721,100.236) 43.916,100.236 43.916,100.081 ; 41.441,47.982 42.416,47.982 ; v1@41.581,50.899 ccw(c41.24,50.557) 41.24,51.04 ccw(c41.24,51.523) v1@41.581,51.181 ; 41.582,47.841 cw(c41.924,47.499) 41.924,47.982 cw(c41.924,48.465) 41.582,48.123 ; 42.561,44.152 cw(c43.116,43.597) 43.116,44.382 ; 42.621,44.213 ccw(c42.152,44.682) 42.816,44.682 ; 42.817,46.904 ccw(c41.44,47.005) 42.416,47.982 ; 43.216,24.957 43.216,24.76 ; 43.216,30.982 43.216,30.611 ccw(c44.07,30.611) 43.466,30.007 ccw(c43.768,30.309) 43.768,29.882 v1@45.166,29.882 ; 43.216,77.956 43.216,77.759 ; 43.216,83.981 43.216,83.61 ccw(c44.07,83.61) 43.466,83.006 ccw(c43.768,83.308) 43.768,82.881 45.166,82.881 ; 43.441,25.307 43.441,24.44 ccw(c44.124,24.44) 43.641,23.957 ; 43.441,78.306 43.441,77.439 ccw(c44.124,77.439) 43.641,76.956 ; 43.516,46.882 42.416,47.982 ; 43.554,24.82 cw(c43.042,24.308) 43.766,24.308 cw(c44.49,24.308) 43.978,24.82 ; 43.613,30.824 cw(c43.453,30.555) 43.766,30.555 ; 43.766,25.032 43.766,23.432 ; 43.766,27.232 44.141,27.232 46.009,29.1 v1(59.358,29.1) v1(59.383,30.025) v1@59.383,30.39 ; 43.766,31.082 43.766,30.555 ; 43.766,33.282 44.991,33.282 45.966,32.307 ; 43.891,33.557 44.131,33.557 ccw(c44.131,33.642) 44.191,33.582 44.245,33.582 cw(c44.245,30.936) 46.116,32.807 ; 43.891,44.382 42.169,42.66 cw(c40.291,44.538) 40.291,41.882 ; 43.891,86.556 44.131,86.556 ccw(c44.131,86.641) 44.191,86.581 44.245,86.581 cw(c44.245,83.935) 46.116,85.806 ; 43.916,32.982 44.531,32.982 cw(c44.531,31.872) 45.316,32.657 45.554,32.419 cw(c45.042,31.907) 45.766,31.907 ; 43.916,85.981 44.531,85.981 cw(c44.531,84.871) 45.316,85.656 45.554,85.418 cw(c45.042,84.906) 45.766,84.906 ; 43.919,30.824 ccw(c44.079,30.555) 43.766,30.555 ; 44.016,25.157 44.016,23.817 ccw(c44.763,23.817) 44.235,23.288 cw(c43.979,23.032) 44.341,23.032 ; 44.016,27.532 ccw(c44.016,28.558) 44.742,27.833 ; 44.016,78.156 44.016,76.816 ccw(c44.763,76.816) 44.235,76.287 cw(c43.979,76.031) 44.341,76.031 ; v1@44.158,30.163 43.766,30.555 ; 44.228,33.07 cw(c44.74,32.558) 44.74,33.282 cw(c44.74,34.006) 44.228,33.494 ; 44.316,24.832 44.316,24.152 ccw(c47.382,24.152) 45.214,21.984 45.341,21.857 ccw(c46.427,22.943) 46.427,21.407 v1@47.091,21.407 ; 44.316,31.132 ccw(c44.98,31.132) 44.51,30.663 ccw(c45.007,31.159) 45.007,30.457 v1@45.241,30.457 ; 44.316,77.831 44.316,77.151 ccw(c47.382,77.151) 45.214,74.983 45.341,74.856 ccw(c46.427,75.942) 46.427,74.406 47.091,74.406 ; 44.316,84.131 ccw(c44.98,84.131) 44.51,83.662 ccw(c45.007,84.158) 45.007,83.456 45.241,83.456 ; 44.316,27.232 cw(c44.739,27.232) 44.44,27.531 ; v1@44.466,30.364 cw(c44.284,31.073) 43.766,30.555 ; 45.198,33.075 ccw(c45.966,33.843) 45.966,32.757 ; v1@45.867,26.259 cw(c45.506,25.898) 46.016,25.898 ; v1@45.867,26.541 ccw(c45.506,26.902) v1@46.016,26.902 ; v1@45.867,27.034 cw(c45.506,26.673) v1@46.016,26.673 ; 45.875,25.723 ccw(c45.533,26.065) 46.016,26.065 ccw(c46.499,26.065) 46.157,25.723 ; v1@45.898,26.233 cw(c45.772,26.041) 45.994,25.982 ; v1(46.008,27.175) v1@46.016,27.167 ; 46.016,25.937 cw(c46.471,25.937) v1@46.149,26.259 ; v1@46.016,26.712 cw(c46.471,26.712) v1@46.149,27.034 ; v1@46.016,26.864 ccw(c46.471,26.864) v1@46.149,26.541